# Altium PCB master.PcbDoc (part 1 of 10) (continued)
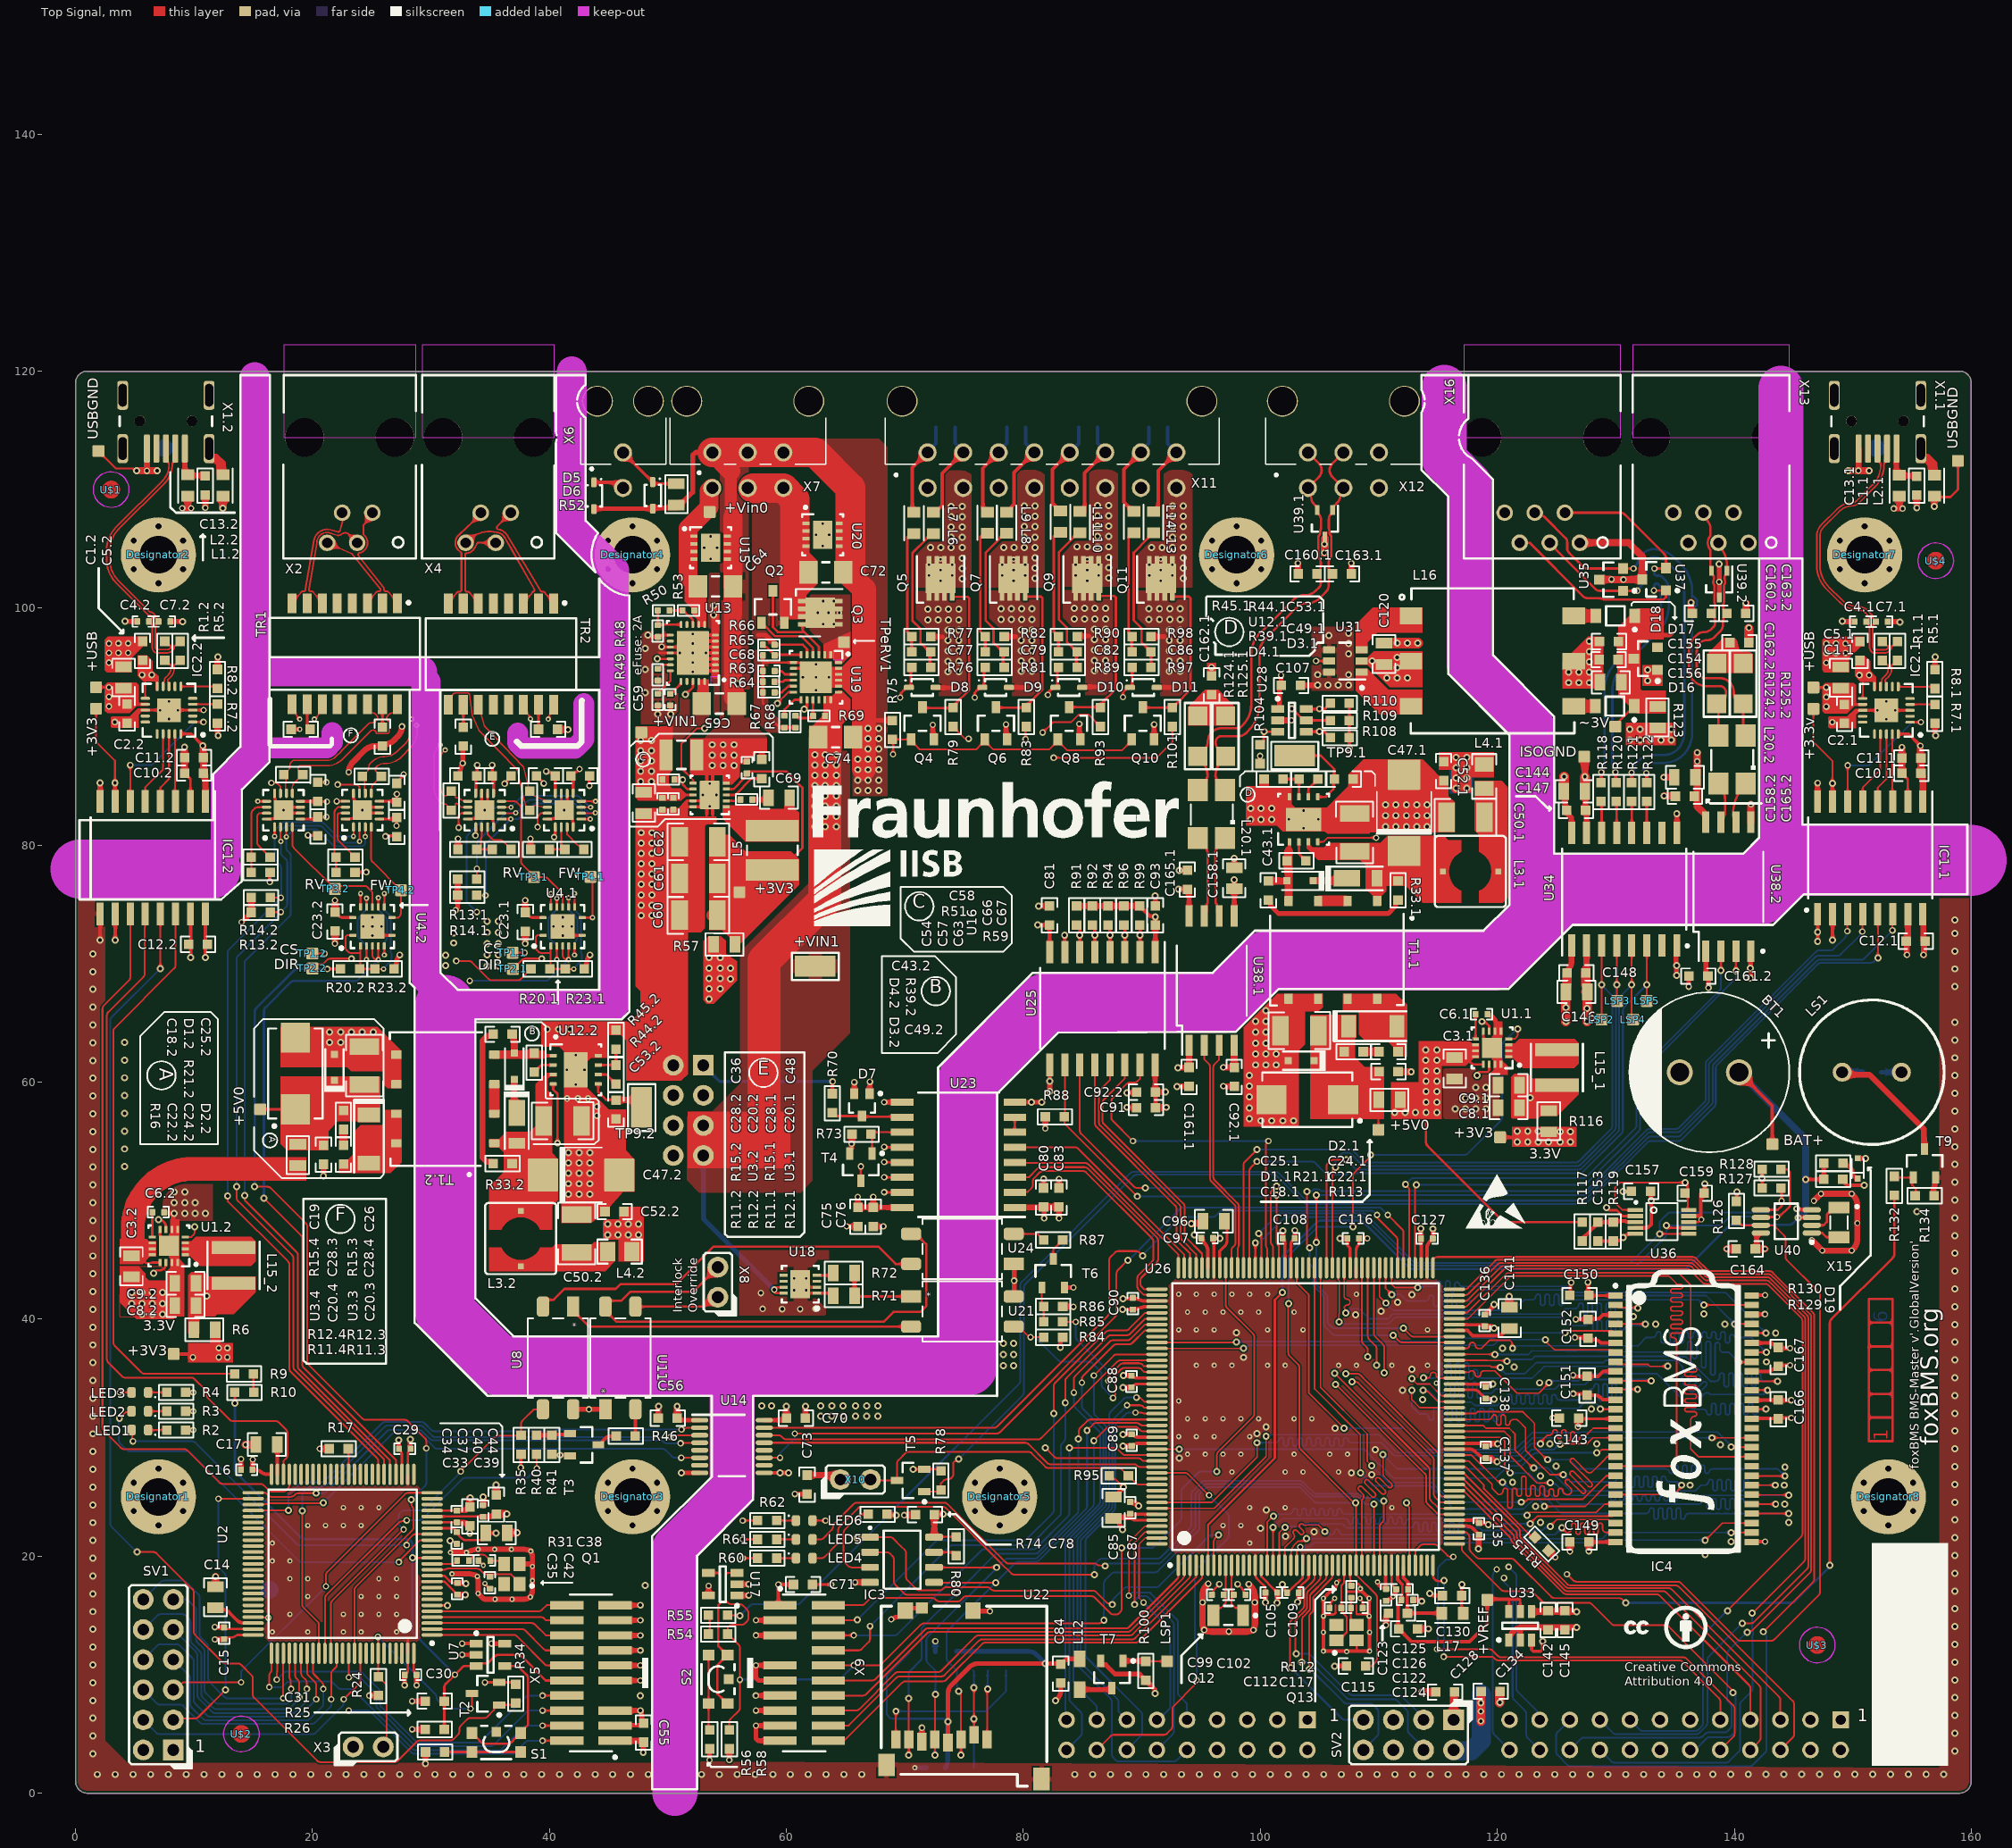
[diagram p0: Top Signal view]
## Design rules (kind name [scope] priority, off if disabled: settings) (continued)
RoomDefinition "Secondary LTC68202U_0301_LTC6820_forward3" [InComponentClass('Secondary LTC68202U_0301_LTC6820_forward3')] p11: confinementstyle=ConfineIn formatcopy=TRUE lockcomponents=FALSE outline 28.933,70.075 42.594,70.075 42.594,105.007 28.933,105.007
RoomDefinition "Secondary LTC68202U_0301_LTC6820_reverse4" [InComponentClass('Secondary LTC68202U_0301_LTC6820_reverse4')] p12: confinementstyle=ConfineIn formatcopy=TRUE lockcomponents=FALSE outline 28.499,71.45 41.588,71.45 41.588,103.861 28.499,103.861
RoomDefinition U_08_memorycard [InComponentClass('U_08_memorycard')] p13: confinementstyle=ConfineIn formatcopy=TRUE lockcomponents=FALSE outline 66.177,0.025 92.023,0.025 92.023,22.684 66.177,22.684
RoomDefinition U_07_isolated_rs485 [InComponentClass('U_07_isolated_rs485')] p14: confinementstyle=ConfineIn formatcopy=TRUE lockcomponents=FALSE outline 117.808,71.2 142.452,71.2 142.452,122.391 117.808,122.391
RoomDefinition "Secondary LTC6820" [InComponentClass('Secondary LTC6820')] p15: confinementstyle=ConfineIn formatcopy=TRUE lockcomponents=FALSE outline 45.187,169.723 104.191,169.723 104.191,188.773 45.187,188.773
RoomDefinition "Secondary Galvanic Isolation" [InComponentClass('Secondary Galvanic Isolation')] p16: confinementstyle=ConfineIn formatcopy=TRUE lockcomponents=FALSE outline 17.221,71.958 41.453,71.958 41.453,122.428 17.221,122.428
RoomDefinition "Primary LTC6820" [InComponentClass('Primary LTC6820')] p17: confinementstyle=ConfineIn formatcopy=TRUE lockcomponents=FALSE outline -0.711,130.531 41.072,130.531 41.072,154.762 -0.711,154.762
RoomDefinition USB1 [InComponentClass('USB1')] p18: confinementstyle=ConfineIn formatcopy=TRUE lockcomponents=FALSE outline 17.311,70.714 17.311,119.71 0.573,119.71 0.573,70.714
RoomDefinition USB0 [InComponentClass('USB0')] p19: confinementstyle=ConfineIn formatcopy=TRUE lockcomponents=FALSE outline 161.757,70.697 161.757,119.694 145.018,119.694 145.018,70.697
RoutingVias [All] p1: holewidth=0.3 width=0.45 viastyle="Through Hole" minholewidth=0.2 minwidth=0.45 maxholewidth=1 maxwidth=7
SMDEntry [All] p1: side=TRUE corner=TRUE anyangle=TRUE
SilkToSilkClearance [All] p1: silktosilkclearance=0
SilkToSolderMaskClearance [IsPad] p1: minsilkscreentomaskgap=0.075 clearancetoexposedcopper=TRUE
SolderMaskExpansion SolderMaskExpansion_VIAs [IsVia] p1: expansion=-10 istentingtop=FALSE // Cover all Vias
SolderMaskExpansion [All] p2: expansion=0.051 istentingtop=FALSE
SupplyNets Vext [InNet('+9-30V_IN_1') or InNet('SUPPLY_ext')] p1: voltage=12.00
SupplyNets V5.0 [InNet('+5.0V*')] p2: voltage=5.000
SupplyNets V3.3 [InNet('+3.3V*')] p3: voltage=3.300
UnRoutedNet [All] p1: checkbadconnections=TRUE
UnpouredPolygon UnpouredPolygon_1 [All] p1:
Width "SDRAM Impedance Control" [InNetClass('FMC.SDRAM')] p1: maxlimit=0.192 minlimit=0.098 preferedwidth=0.133 toplayer_minwidth=0.133 midlayer1_maxwidth=0.126 midlayer1_prefwidth=0.125 bottomlayer_minwidth=0.133 impedanceprofiledriven=TRUE impedanceprofileid={E2543C6F-5D54-4176-A402-867BFB875A03} impedanceprofilevalue=55.000000 minimp=50.000000 maximp=50.000000 favimp=50.000000
Width [All] p2: maxlimit=20 minlimit=0.1 preferedwidth=0.2 toplayer_prefwidth=0.15 bottomlayer_prefwidth=0.15 minimp=50.000000 maximp=50.000000 favimp=50.000000
15 further rules are at their usual default settings.

## Classes and differential pairs
net class ISO_BAT_DOWN: REV_0_EXT_N REV_0_EXT_P REV_1_EXT_N REV_1_EXT_P
component class MCU_1_ISO: C18.2 C22.2 C24.2 C25.2 C43.2 C47.2 C49.2 C50.2 C52.2 C53.2 D1.2 D2.2 D3.2 D4.2 L3.2 L4.2 R21.2 R33.2 R39.2 R44.2 R45.2 T1.2 TP9.2 U12.2
differential pair class CAN_DP: CAN_INT_1 CAN_INT_2
differential pair class RS485_ZY_DP: RS485_YZ ZY
differential pair class RS485_AB_DP: AB ABEXT
differential pair class ISO_INT_DP: OUT_1 OUT_2 OUT_3 OUT_4
differential pair class CAN_EX_DP: CAN_0 CAN_1 CAN_2 CAN_EXT_1
differential pair class ISO_EXT_DP: OUT_0_EXT OUT_1_EXT REV_0_EXT REV_1_EXT
net class ISO_BAT: OUT_0_EXT_N OUT_0_EXT_P OUT_1_EXT_N OUT_1_EXT_P REV_0_EXT_N REV_0_EXT_P REV_1_EXT_N REV_1_EXT_P
net class ISO_BAT_UP: OUT_0_EXT_N OUT_0_EXT_P OUT_1_EXT_N OUT_1_EXT_P
channel class IsoDcDc-BSR033A: MCU_0_ISO U_10_contactor_control
channel class dcdc_5v0_3v3: MCU_0_VCC MCU_1_VCC
channel class CAN_new: U_08_CAN0 U_08_CAN1
net class ISO_RS485: +3.3V_COM AB_N AB_P ABEXT_N ABEXT_P GND_COM RS485_YZ_N RS485_YZ_P ZY_N ZY_P
net class ISO_COM: +3-4.5v_out +3.3V_COM ABEXT_N ABEXT_P CAN_1_N CAN_1_P GND_COM NetD16_2 NetD17_2 NetL14_4 NetL14_5 NetL14_6 RS485_YZ_N RS485_YZ_P
net class HV_Nets: +9-30V_IN_1 NetC43.1_2 NetC43.2_2 NetC47.1_1 NetC47.2_1 NetC50.1_2 NetC50.2_2
component class U_03_supply1: +3V3 +5V0 C107 LED3 LED6 R4 R6 R16 R51 R57 R62 R104 R109 R110 R113 R116 R123 U28 ~3V
component class MCU_1_VCC: C3.2 C6.2 C8.2 C9.2 L15_2 U1.2
component class U_10_contactor_control: C73 C75 C76 C77 C79 C80 C81 C82 C83 C86 C91 C93 C177 C178 C179 C180 D7 D8 D9 D10 D11 D12 D13 D14 D15 L6 L7 L8 L9 L10 L11 L13 L14 Q4 Q5 Q6 Q7 Q8 Q9 Q10 Q11 R70 R73 R75 R76 R77 R79 R81 R82 R83 R88 R89 R90 R91 R92 R93 R94 R96 R97 R98 R99 R101 T4 U23 U25 X11
component class MCU_0_VCC: C3.1 C6.1 C8.1 C9.1 L15_1 U1.1
component class MCU_0_ISO: C18.1 C22.1 C24.1 C25.1 C43.1 C47.1 C49.1 C50.1 C52.1 C53.1 D1.1 D2.1 D3.1 D4.1 L3.1 L4.1 R21.1 R33.1 R39.1 R44.1 R45.1 T1.1 TP9.1 TP11 TP12 U12.1
component class EXT_SUPPLY_VCC: C54 C57 C58 C60 C61 C62 C63 C66 C67 C69 L5 R59 U16
component class COM_EXT_ISO: C120 C154 C155 C156 D16 D17 D18 ISOGND L16 R108 U31
channel class 0301_LTC6820_chip: "Primary LTC68201U_0301_LTC6820_forward1" "Primary LTC68201U_0301_LTC6820_reverse2" "Secondary LTC68202U_0301_LTC6820_forward3" "Secondary LTC68202U_0301_LTC6820_reverse4"
channel class 03_LTC6820: "Primary LTC6820" "Secondary LTC6820"
component class "Secondary LTC68202U_0301_LTC6820_reverse4": C20.4 C28.4 IC23 R11.4 R12.4 R15.4 U3.4
component class "Primary LTC68201U_0301_LTC6820_reverse2": C20.2 C28.2 R11.2 R12.2 R15.2 U3.2
component class "Secondary LTC68202U_0301_LTC6820_forward3": C20.3 C28.3 R11.3 R12.3 R15.3 U3.3
component class "Primary LTC68201U_0301_LTC6820_forward1": C20.1 C28.1 R11.1 R12.1 R15.1 U3.1
component class U_08_memorycard: C84 C181 L12 LSP1 LSP6 LSP7 LSP8 LSP9 R100 R138 R139 R140 R141 R142 R143 SLOT1 T7 U22
component class U_08_CAN1: C92.2 C158.2 C160.2 C161.2 C162.2 C163.2 C165.2 L20.2 R124.2 R125.2 U38.2 U39.2
component class U_07_isolated_rs485: C144 C146 C147 C148 IC22 LSP2 LSP3 LSP4 LSP5 R118 R120 R121 R122 U34 U35 U37
component class "Secondary LTC6820": C23.2 R13.2 R14.2 R20.2 R23.2 TP1.2 TP2.2 TP3.2 TP4.2 U4.2
component class "Secondary Galvanic Isolation": C19 C26 C36 C48 TR1 TR2 X2 X4
component class "Primary LTC6820": C23.1 R13.1 R14.1 R20.1 R23.1 TP1.1 TP2.1 TP3.1 TP4.1 U4.1
component class hierarchy: m X12 X13 X16
differential pair class USB_DP: D_1 D_2 U_1 U_2
channel class isolated_usb_single: USB0 USB1
component class USB1: +3V3 +USB C1.2 C2.2 C4.2 C5.2 C7.2 C10.2 C11.2 C12.2 C13.2 IC1.2 IC2.2 IC15 L1.2 L2.2 R1.2 R5.2 R7.2 R8.2 USBGND X1.2
component class USB0: +3.3v +USB C1.1 C2.1 C4.1 C5.1 C7.1 C10.1 C11.1 C12.1 C13.1 IC1.1 IC2.1 IC26 IC27 L1.1 L2.1 R1.1 R5.1 R7.1 R8.1 USBGND X1.1
net class FMC.UDQ: FMC_MCU_0_RAM_D0 FMC_MCU_0_RAM_D1 FMC_MCU_0_RAM_D2 FMC_MCU_0_RAM_D3 FMC_MCU_0_RAM_D4 FMC_MCU_0_RAM_D5 FMC_MCU_0_RAM_D6 FMC_MCU_0_RAM_D7 FMC_MCU_0_RAM_D8 FMC_MCU_0_RAM_D9 FMC_MCU_0_RAM_D10 FMC_MCU_0_RAM_D11 FMC_MCU_0_RAM_D12 FMC_MCU_0_RAM_D13 FMC_MCU_0_RAM_D14 FMC_MCU_0_RAM_D15
net class FMC.SDRAM: FMC_MCU_0_RAM_A0 FMC_MCU_0_RAM_A1 FMC_MCU_0_RAM_A2 FMC_MCU_0_RAM_A3 FMC_MCU_0_RAM_A4 FMC_MCU_0_RAM_A5 FMC_MCU_0_RAM_A6 FMC_MCU_0_RAM_A7 FMC_MCU_0_RAM_A8 FMC_MCU_0_RAM_A9 FMC_MCU_0_RAM_A10 FMC_MCU_0_RAM_A11 FMC_MCU_0_RAM_BA0 FMC_MCU_0_RAM_BA1 FMC_MCU_0_RAM_D0 FMC_MCU_0_RAM_D1 FMC_MCU_0_RAM_D2 FMC_MCU_0_RAM_D3 FMC_MCU_0_RAM_D4 FMC_MCU_0_RAM_D5 FMC_MCU_0_RAM_D6 FMC_MCU_0_RAM_D7 FMC_MCU_0_RAM_D8 FMC_MCU_0_RAM_D9 FMC_MCU_0_RAM_D10 FMC_MCU_0_RAM_D11 FMC_MCU_0_RAM_D12 FMC_MCU_0_RAM_D13 FMC_MCU_0_RAM_D14 FMC_MCU_0_RAM_D15 FMC_MCU_0_RAM_NBL0 FMC_MCU_0_RAM_NBL1 FMC_MCU_0_RAM_SDCKE1 FMC_MCU_0_RAM_SDCLK FMC_MCU_0_RAM_SDNCAS FMC_MCU_0_RAM_SDNE1 FMC_MCU_0_RAM_SDNRAS FMC_MCU_0_RAM_SDNWE
net class FMC.LDQ: FMC_MCU_0_RAM_D0 FMC_MCU_0_RAM_D1 FMC_MCU_0_RAM_D2 FMC_MCU_0_RAM_D3 FMC_MCU_0_RAM_D4 FMC_MCU_0_RAM_D5 FMC_MCU_0_RAM_D6 FMC_MCU_0_RAM_D7 FMC_MCU_0_RAM_D8 FMC_MCU_0_RAM_D9 FMC_MCU_0_RAM_D10 FMC_MCU_0_RAM_D11 FMC_MCU_0_RAM_D12 FMC_MCU_0_RAM_D13 FMC_MCU_0_RAM_D14 FMC_MCU_0_RAM_D15
net class FMC.DQM: FMC_MCU_0_RAM_D0 FMC_MCU_0_RAM_D1 FMC_MCU_0_RAM_D2 FMC_MCU_0_RAM_D3 FMC_MCU_0_RAM_D4 FMC_MCU_0_RAM_D5 FMC_MCU_0_RAM_D6 FMC_MCU_0_RAM_D7 FMC_MCU_0_RAM_D8 FMC_MCU_0_RAM_D9 FMC_MCU_0_RAM_D10 FMC_MCU_0_RAM_D11 FMC_MCU_0_RAM_D12 FMC_MCU_0_RAM_D13 FMC_MCU_0_RAM_D14 FMC_MCU_0_RAM_D15
net class FMC.CNTRL: FMC_MCU_0_RAM_NBL0 FMC_MCU_0_RAM_NBL1 FMC_MCU_0_RAM_SDCKE1 FMC_MCU_0_RAM_SDCLK FMC_MCU_0_RAM_SDNE1
net class FMC.CMD: FMC_MCU_0_RAM_SDNCAS FMC_MCU_0_RAM_SDNRAS FMC_MCU_0_RAM_SDNWE
net class FMC.ADR: FMC_MCU_0_RAM_A0 FMC_MCU_0_RAM_A1 FMC_MCU_0_RAM_A2 FMC_MCU_0_RAM_A3 FMC_MCU_0_RAM_A4 FMC_MCU_0_RAM_A5 FMC_MCU_0_RAM_A6 FMC_MCU_0_RAM_A7 FMC_MCU_0_RAM_A8 FMC_MCU_0_RAM_A9 FMC_MCU_0_RAM_A10 FMC_MCU_0_RAM_A11 FMC_MCU_0_RAM_BA0 FMC_MCU_0_RAM_BA1
net class ISO_MCU_USB: D_1_N D_1_P D_2_N D_2_P ISO_FTDI_DTR_1 ISO_FTDI_DTR_2 ISO_FTDI_RTS_1 ISO_FTDI_RTS_2 ISO_FTDI_RX_1 ISO_FTDI_RX_2 ISO_FTDI_TX_1 ISO_FTDI_TX_2 NetIC2.1_4 NetIC2.1_6 NetIC2.2_4 NetIC2.2_6 NetIC1401_1 NetIC1401_3 NetIC1402_5 NetIC1402_8 NetIC1402_10 NetIC1402_17 NetIC1402_18 NetIC1402_19 NetL2.1_2 NetL2.2_2 NetX1401_4 NetX1401_6 NetX1401_7 NetX1401_8 NetX1401_9 U_1_N U_1_P U_2_N U_2_P USB_+3.3V_1 USB_+3.3V_2 USB_+VBUS_1 USB_+VBUS_2 USB_GND_1 USB_GND_2 USB_VBUS_1 USB_VBUS_2
net class ISO_MCU: +3.3V_0 +3.3V_0+ +3.3V_0_IN +5.0V_0 +5.0V_0+ +Vbat_0 +Vdda_0 +Vref_0 ADC_MCU_0_CH_0 ADC_MCU_0_CH_1 ADC_MCU_0_CH_2 ADC_MCU_0_CH_3 ADC_MCU_0_CH_4 BMS-INTERFACE_0_GPIO_0 BMS-INTERFACE_0_GPIO_1 BMS-INTERFACE_0_GPIO_2 BMS-INTERFACE_0_GPIO_3 BMS-INTERFACE_0_SPI_CS BMS-INTERFACE_0_SPI_MISO BMS-INTERFACE_0_SPI_MOSI BMS-INTERFACE_0_SPI_SCK BOOT_0_MCU_0 C\S\_\F\W\_1 C\S\_\R\V\_1 CAN_0_RX CAN_0_TRANS_STANDBY_CONTROL CAN_0_TX CAN_1_RX CAN_1_TRANS_STANDBY_CONTROL CAN_1_TX CONTACTOR_0_CONTROL CONTACTOR_0_FEEDBACK CONTACTOR_1_CONTROL CONTACTOR_1_FEEDBACK CONTACTOR_2_CONTROL CONTACTOR_2_FEEDBACK CONTACTOR_3_CONTROL CONTACTOR_3_FEEDBACK CONTACTOR_5_CONTROL CONTACTOR_5_FEEDBACK CONTACTOR_6_CONTROL CONTACTOR_6_FEEDBACK CONTACTOR_7_CONTROL CONTACTOR_7_FEEDBACK CONTACTOR_8_CONTROL CONTACTOR_8_FEEDBACK CONTACTOR_INTERLOCK_ISO_IO CONTACTOR_SUPPLY_FAULT CONTACTOR_SUPPLY_SHDN CS_1 D\I\R\_1 DATA_STORAGE_SPI_EEPROM_CS DATA_STORAGE_SPI_Memory_NSS DATA_STORAGE_SPI_Memorycard_NSS DATA_STORAGE_SPI_MISO DATA_STORAGE_SPI_MOSI DATA_STORAGE_SPI_SCK DEBUG_LED_0_MCU_0 DEBUG_LED_1_MCU_0 DIR_1 FMC_MCU_0_RAM_A0 FMC_MCU_0_RAM_A1 FMC_MCU_0_RAM_A2 FMC_MCU_0_RAM_A3 FMC_MCU_0_RAM_A4 FMC_MCU_0_RAM_A5 FMC_MCU_0_RAM_A6 FMC_MCU_0_RAM_A7 FMC_MCU_0_RAM_A8 FMC_MCU_0_RAM_A9 FMC_MCU_0_RAM_A10 FMC_MCU_0_RAM_A11 FMC_MCU_0_RAM_BA0 FMC_MCU_0_RAM_BA1 FMC_MCU_0_RAM_D0 FMC_MCU_0_RAM_D1 FMC_MCU_0_RAM_D2 FMC_MCU_0_RAM_D3 FMC_MCU_0_RAM_D4 FMC_MCU_0_RAM_D5 FMC_MCU_0_RAM_D6 FMC_MCU_0_RAM_D7 FMC_MCU_0_RAM_D8 FMC_MCU_0_RAM_D9 FMC_MCU_0_RAM_D10 FMC_MCU_0_RAM_D11 FMC_MCU_0_RAM_D12 FMC_MCU_0_RAM_D13 FMC_MCU_0_RAM_D14 FMC_MCU_0_RAM_D15 FMC_MCU_0_RAM_NBL0 FMC_MCU_0_RAM_NBL1 FMC_MCU_0_RAM_SDCKE1 FMC_MCU_0_RAM_SDCLK FMC_MCU_0_RAM_SDNCAS FMC_MCU_0_RAM_SDNE1 FMC_MCU_0_RAM_SDNRAS FMC_MCU_0_RAM_SDNWE FTDI_MCU_0_DTR FTDI_MCU_0_RTS FTDI_MCU_0_RX FTDI_MCU_0_TX GND_1 GPIO.RTC_INT# HSE_1_MCU_0 HSE_2_MCU_0 I2C3.SCL I2C3.SDA INTERLOCK_CONTROL_MCU_0 INTERLOCK_FEEDBACK_MCU_0 ISO_GPIO_MCU_0_IN_0 ISO_GPIO_MCU_0_IN_1 ISO_GPIO_MCU_0_IN_2 ISO_GPIO_MCU_0_IN_3 ISO_GPIO_MCU_0_OUT_0 ISO_GPIO_MCU_0_OUT_1 ISO_GPIO_MCU_0_OUT_2 ISO_GPIO_MCU_0_OUT_3 ISONOC_0_CONTROL ISONOC_1_CONTROL ISONOC_2_CONTROL ISONOC_3_CONTROL ISONOC_4_CONTROL ISONOC_5_CONTROL LSE_1_MCU_0 LSE_2_MCU_0 MCU_0_NRESET MCU_0_RTC_ALARM_OUT MCU_0_SWCLK MCU_0_SWDIO MCU_0_SWO MCU_0_TDI MCU_TO_FPGA_INTERFACE_MCU_0_CS MCU_TO_FPGA_INTERFACE_MCU_0_MISO MCU_TO_FPGA_INTERFACE_MCU_0_MOSI MCU_TO_FPGA_INTERFACE_MCU_0_SCK MCU_TO_MCU_INTERFACE_MCU_0_CS MCU_TO_MCU_INTERFACE_MCU_0_MISO MCU_TO_MCU_INTERFACE_MCU_0_MOSI MCU_TO_MCU_INTERFACE_MCU_0_SCK Memory_SUPPLY_CONTROL Memorycard_SUPPLY Memorycard_SUPPLY_CONTROL NetC6.1_2 NetC96_1 NetC117_1 NetC141_1 NetD19_2 NetIC3_3 NetIC3_7 NetIC802_4 NetIC802_6 NetL12_2 NetL15_1_1 NetLED4_1 NetLED5_1 NetLED6_1 NetLS1_2 NetR11.1_2 NetR11.2_2 NetR12.1_2 NetR12.2_2 NetR54_2 NetR56_2 NetR85_1 NetR87_1 NetR87_2 NetR115_2 NetR132_1 NetR138_1 NetR139_1 NetS2_3 NetU40_1 NetU40_2 OUT_1_N OUT_1_P OUT_2_N OUT_2_P PIEZO_MCU_0_PWM RS485_DE RS485_MCU_0_NRE RS485_MCU_0_RX RS485_MCU_0_TX TRACECLK_MCU_0 TRACED0_MCU_0 TRACED1_MCU_0 TRACED2_MCU_0 TRACED3_MCU_0 VBU_MON VIN_MON
net class ISO_MCU_SEC: +3.3V_1 +3.3V_1+ +5.0V_1 +5.0V_1+ BMS-INTERFACE_1_GPIO_0 BMS-INTERFACE_1_GPIO_1 BMS-INTERFACE_1_GPIO_2 BMS-INTERFACE_1_GPIO_3 BMS-INTERFACE_1_SPI_CS BMS-INTERFACE_1_SPI_MISO BMS-INTERFACE_1_SPI_MOSI BMS-INTERFACE_1_SPI_SCK BOOT_0_MCU_1 C\S\_\F\W\_2 C\S\_\R\V\_2 CAN_0_MCU_1_RX CAN_0_MCU_1_TX CS_2 D\I\R\_2 DEBUG_LED_0_MCU_1 DEBUG_LED_1_MCU_1 DIR_2 FTDI_MCU_1_DTR FTDI_MCU_1_RTS FTDI_MCU_1_RX FTDI_MCU_1_TX GND_2 GPIO_MCU_1_0 GPIO_MCU_1_1 GPIO_MCU_1_2 GPIO_MCU_1_3 GPIO_MCU_1_4 GPIO_MCU_1_5 HSE_1_MCU_1 HSE_2_MCU_1 INTERLOCK_CONTROL_MCU_1 INTERLOCK_FEEDBACK_MCU_1 MCU_1_NRESET MCU_1_SWCLK MCU_1_SWDIO MCU_1_SWO MCU_1_TDI MCU_TO_MCU_INTERFACE_MCU_1_CS MCU_TO_MCU_INTERFACE_MCU_1_MISO MCU_TO_MCU_INTERFACE_MCU_1_MOSI MCU_TO_MCU_INTERFACE_MCU_1_SCK NetC6.2_2 NetC14_1 NetC17_1 NetC38_1 NetL15_2_1 NetLED1_1 NetLED2_1 NetLED3_1 NetR9_1 NetR11.3_2 NetR11.4_2 NetR12.3_2 NetR12.4_2 NetR17_2 NetR26_2 NetR40_1 NetR46_1 NetR46_2 NetS1_3 OUT_3_N OUT_3_P OUT_4_N OUT_4_P TRACECLK_MCU_1 TRACED0_MCU_1 TRACED1_MCU_1 TRACED2_MCU_1 TRACED3_MCU_1 USART_MCU_1_RX USART_MCU_1_TX
net class ISO_EXT: +3.3v_in +9-30V_IN_1 CAN_0_N CAN_0_P COM_EXT_ISO_EN CONTACTOR_0_FEEDBACK_EXT CONTACTOR_1_FEEDBACK_EXT CONTACTOR_2_FEEDBACK_EXT CONTACTOR_3_FEEDBACK_EXT CONTACTOR_INTERLOCK_EXT_IO CONTACTOR_IO_EXT_0 CONTACTOR_IO_EXT_1 CONTACTOR_IO_EXT_2 CONTACTOR_IO_EXT_3 CONTACTOR_NEG_0 CONTACTOR_NEG_1 CONTACTOR_NEG_2 CONTACTOR_NEG_3 CONTACTOR_NEG_LOCKOUT CONTACTOR_SUPPLY_FAULT_EXT CONTACTOR_SUPPLY_SHDN_EXT EXT_0.FAULT EXT_0.SHDN EXT_0_SUPPLY EXT_2.PGOOD EXT_2_SUPPLY EXT_+3.3V_0+ EXT_+3.3V_0_PG FB_EXT_0 FB_EXT_1 FB_EXT_2 FB_EXT_3 GND INTERLOCK_STATUS MCU_0_ISO_EN MCU_1_ISO_EN NetC59_1 NetC67_2 NetC68_1 NetC69_1 NetC69_2 NetC77_1 NetC79_1 NetC82_1 NetC86_1 NetC177_1 NetC177_2 NetC178_1 NetC178_2 NetC179_1 NetC179_2 NetC180_1 NetC180_2 NetD5_1 NetD7_3 NetIC702_6 NetL16_1 NetL16_3 NetQ2_1 NetQ2_3 NetQ3_5 NetQ4_3 NetQ6_3 NetQ8_3 NetQ10_3 NetR47_2 NetR48_2 NetR49_2 NetR50_2 NetR59_1 NetR63_2 NetR64_2 NetR65_2 NetR67_2 NetR68_2 NetR71_1 NetR71_2 NetR72_2 NetU8_2 NetU11_4 NetX801_2 RTN_EXT_0 SUPPLY_ext ZHS_0 ZHS_2
net class CAN_ISO: +3.3V_COM +3.3v_in CAN_0_N CAN_0_P CAN_1_N CAN_1_P CAN_INT_1_N CAN_INT_1_P CAN_INT_2_N CAN_INT_2_P GND GND_COM NetC162.1_1 NetC162.2_1 NetX801_2
component class U_0405_ext_bootload_activation: R78 R95 T5 X10
component class U_0404_debug_LED: LED4 LED5 R60 R61
component class U_0403_crystals: C99 C102 C112 C117 Q12 Q13 R112
component class U_18_connector_to_BMS_extension: JP1 JP2
component class U_17_FPGA_SPI_interface: C128 C134 SV2
component class U_16_8MB_SDRAM: C143 C149 C150 C151 C152 C166 C167 IC4 IC23
component class U_14_EEPROM: C78 IC3 IC15 R74 R80
component class EXT_SUPPLY: +Vin0 +VIN1 C59 C64 C65 C68 C72 C74 IC17 Q2 Q3 R47 R48 R49 R50 R53 R63 R64 R65 R66 R67 R68 R69 TPeRV1 U13 U15 U19 U20 X7
component class U_09_interlock_circuit: D5 D6 IC25 R35 R40 R41 R46 R52 R71 R72 R84 R85 R86 R87 SV3 T3 T6 U8 U11 U18 U21 U24 X6 X8
component class U_08_CAN0: C92.1 C158.1 C160.1 C161.1 C162.1 C163.1 C165.1 L20.1 R124.1 R125.1 U38.1 U39.1
component class U_06_mcu0_to_mcu1_isolated_SPI: C56 C70 U14
component class U_05_mcu1_secondary: C14 C15 C16 C17 C29 C30 C31 C33 C34 C35 C37 C38 C39 C40 C42 C44 C55 LED1 LED2 Q1 R2 R3 R9 R10 R17 R24 R25 R26 R31 R34 S1 SV1 T2 U2 U7 X3 X5
component class U_04_mcu0_primary: C71 C96 C115 C141 LS1 R54 R55 R56 R58 R115 R127 R128 R132 R134 R137 S2 T9 U17 U26 X9
component class U_0400_power: +VREF BAT+ BT1 C85 C87 C88 C89 C90 C97 C105 C108 C109 C116 C122 C123 C124 C125 C126 C127 C130 C135 C136 C137 C138 C142 C145 C153 C157 C159 C164 D19 IC14 IC17 L17 R117 R119 R126 R129 R130 U33 U36 U40 X15
net class BMS-INTERFACE_1_GPIO_[0..3]: BMS-INTERFACE_1_GPIO_0 BMS-INTERFACE_1_GPIO_1 BMS-INTERFACE_1_GPIO_2 BMS-INTERFACE_1_GPIO_3
net class BMS-INTERFACE_0_GPIO_[0..3]: BMS-INTERFACE_0_GPIO_0 BMS-INTERFACE_0_GPIO_1 BMS-INTERFACE_0_GPIO_2 BMS-INTERFACE_0_GPIO_3
net class ADC_MCU_0_CH_[0..4]: ADC_MCU_0_CH_0 ADC_MCU_0_CH_1 ADC_MCU_0_CH_2 ADC_MCU_0_CH_3 ADC_MCU_0_CH_4
net class FMC_MCU_0_RAM_NBL[0..1]: FMC_MCU_0_RAM_NBL0 FMC_MCU_0_RAM_NBL1
net class FMC_MCU_0_RAM_D[0..15]: FMC_MCU_0_RAM_D0 FMC_MCU_0_RAM_D1 FMC_MCU_0_RAM_D2 FMC_MCU_0_RAM_D3 FMC_MCU_0_RAM_D4 FMC_MCU_0_RAM_D5 FMC_MCU_0_RAM_D6 FMC_MCU_0_RAM_D7 FMC_MCU_0_RAM_D8 FMC_MCU_0_RAM_D9 FMC_MCU_0_RAM_D10 FMC_MCU_0_RAM_D11 FMC_MCU_0_RAM_D12 FMC_MCU_0_RAM_D13 FMC_MCU_0_RAM_D14 FMC_MCU_0_RAM_D15
net class FMC_MCU_0_RAM_BA[0..1]: FMC_MCU_0_RAM_BA0 FMC_MCU_0_RAM_BA1
net class FMC_MCU_0_RAM_A[0..11]: FMC_MCU_0_RAM_A0 FMC_MCU_0_RAM_A1 FMC_MCU_0_RAM_A2 FMC_MCU_0_RAM_A3 FMC_MCU_0_RAM_A4 FMC_MCU_0_RAM_A5 FMC_MCU_0_RAM_A6 FMC_MCU_0_RAM_A7 FMC_MCU_0_RAM_A8 FMC_MCU_0_RAM_A9 FMC_MCU_0_RAM_A10 FMC_MCU_0_RAM_A11
polygon class PolygonThermal_OFF: GND_EXT_0_L02_P055 Polygon_1_Net_+3.3V_0 Polygon_1_Net_+3.3V_1 Polygon_1_Net_GND_0 Polygon_1_Net_GND_1 Polygon_1_Net_SUPPLY_EXT_0 Polygon_1_Net_SUPPLY_EXT_2 Polygon_2_Net_SUPPLY_EXT_2
pad class SMDSolder_OFF: IC1101-2 T901-2 T901-4 T901-S
pad class SMDPaste_OFF: IC1101-2 T901-1 T901-2 T901-3 T901-4 T901-D T901-G T901-S
differential pair CAN_1: +CAN_1_P -CAN_1_N
differential pair CAN_INT_2: +CAN_INT_2_P -CAN_INT_2_N
differential pair CAN_INT_1: +CAN_INT_1_P -CAN_INT_1_N
differential pair CAN_0: +CAN_0_P -CAN_0_N
differential pair ZY: +ZY_P -ZY_N
differential pair RS485_YZ: +RS485_YZ_P -RS485_YZ_N
differential pair AB: +AB_P -AB_N
differential pair ABEXT: +ABEXT_P -ABEXT_N
differential pair REV_1_EXT: +REV_1_EXT_P -REV_1_EXT_N
differential pair REV_0_EXT: +REV_0_EXT_P -REV_0_EXT_N
differential pair OUT_1_EXT: +OUT_1_EXT_P -OUT_1_EXT_N
differential pair OUT_0_EXT: +OUT_0_EXT_P -OUT_0_EXT_N
differential pair OUT_4: +OUT_4_P -OUT_4_N
differential pair OUT_3: +OUT_3_P -OUT_3_N
differential pair OUT_2: +OUT_2_P -OUT_2_N
differential pair OUT_1: +OUT_1_P -OUT_1_N
differential pair U_2: +U_2_P -U_2_N
differential pair U_1: +U_1_P -U_1_N
differential pair D_2: +D_2_P -D_2_N
differential pair D_1: +D_1_P -D_1_N

## Components (designator, comment, footprint, x,y, rotation, side; value= is the part's Value field where it differs from the comment)
+3.3v "Testpoint_Square" Testpoint_S1 146.681,91.5 r270 top (schematic designator TPu1)
+3V3 "Testpoint_Square" Testpoint_S1 56.037,76.029 r90 top (schematic designator TPe1)
+3V3 "Testpoint_Square" Testpoint_S1 8.286,37.064 r90 top (schematic designator TPi1)
+3V3 "Testpoint_Square" Testpoint_S1 120.231,55.347 r90 top (schematic designator TPi4)
+3V3 "Testpoint_Square" Testpoint_S1 1.735,91.516 r270 top (schematic designator TPu1)
+5V0 "Testpoint_Square" Testpoint_S1 15.585,57.706 r90 top (schematic designator TPi2)
+5V0 "Testpoint_Square" Testpoint_S1 109.966,55.975 r90 top (schematic designator TPi3)
+USB "Testpoint_Square" Testpoint_S1 1.735,93.325 r180 top (schematic designator TPuVb1)
+USB "Testpoint_Square" Testpoint_S1 146.681,93.309 r180 top (schematic designator TPuVb1)
+Vin0 "Testpoint_Square" Testpoint_S1 53.521,108.113 r90 top (schematic designator TPeSUPi1)
+VIN1 "Testpoint_Square" Testpoint_Keystone_Miniature#1 62.438,69.775 r0 top (schematic designator TPeSUP2)
+VIN1 "Testpoint_Square" Testpoint_S1 47.752,89.514 r90 top (schematic designator TPeSUP1)
+VREF "Testpoint_Square" Testpoint_S1 119.156,16.317 r90 top (schematic designator TPvRef1)
BAT+ "Testpoint_Square" Testpoint_S1 143.213,54.758 r180 top (schematic designator TPvBat1)
BT1 "330m" KW-5R5C 137.897,60.837 r180 top
C1.1 "4.7µF 16V" 0805C 148.998,94.132 r90 top (schematic designator C1)
C1.2 "4.7µF 16V" 0805C 4.053,94.148 r90 top (schematic designator C1)
C2.1 "100nF 50V" 0603C 149.298,91.082 r270 top (schematic designator C2)
C2.2 "100nF 50V" 0603C 4.353,91.098 r270 top (schematic designator C2)
C3.1 "10µF 10V" 0805C 116.395,61.17 r270 top (schematic designator C3)
C3.2 "10µF 10V" 0805C 4.716,44.46 r270 top (schematic designator C3)
C4.1 "47pF 50V" 0402C 150.646,98.859 r0 top (schematic designator C4)
C4.2 "47pF 50V" 0402C 5.7,98.875 r0 top (schematic designator C4)
C5.1 "100nF 50V" 0603C 150.598,96.382 r90 top (schematic designator C5)
C5.2 "100nF 50V" 0603C 5.653,96.398 r90 top (schematic designator C5)
C6.1 "390pF 25V" 0402C 118.663,65.733 r180 top (schematic designator C6)
C6.2 "390pF 25V" 0402C 6.984,49.022 r180 top (schematic designator C6)
C7.1 "47pF 50V" 0402C 152.446,98.859 r180 top (schematic designator C7)
C7.2 "47pF 50V" 0402C 7.5,98.875 r180 top (schematic designator C7)
C8.1 "10µF 10V" 0805C 120.957,57.84 r180 top (schematic designator C8)
C8.2 "10µF 10V" 0805C 9.278,41.13 r180 top (schematic designator C8)
C9.1 "10µF 10V" 0805C 120.957,59.739 r180 top (schematic designator C9)
C9.2 "10µF 10V" 0805C 9.278,43.028 r180 top (schematic designator C9)
C10.1 "100nF 50V" 0603C 154.946,86.059 r180 top (schematic designator C10)
C10.2 "100nF 50V" 0603C 10,86.075 r180 top (schematic designator C10)
C11.1 "1.0µF 25V" 0603C 154.946,87.359 r0 top (schematic designator C11)
C11.2 "1.0µF 25V" 0603C 10,87.375 r0 top (schematic designator C11)
C12.1 "100nF 50V" 0603C 155.305,71.9 r180 top (schematic designator C12)
C12.2 "100nF 50V" 0603C 10.334,71.628 r180 top (schematic designator C12)
C13.1 "10nF 50V" 0603C 155.396,110.334 r270 top (schematic designator C13)
C13.2 "10nF 50V" 0603C 10.95,110.35 r270 top (schematic designator C13)
C14 "2.2µF 25V" 0805C 11.811,16.533 r90 top
C15 "100nF 50V" 0402C 12.541,13.495 r90 top
C16 "100nF 50V" 0402C 14.446,27.291 r180 top
C17 "2.2µF 25V" 0805C 16.134,29.428 r180 top
C18.1 "T598D107M010ATE025" 7343-31 103.963,58.508 r180 top value=220uF (schematic designator C18)
C18.2 "T598D107M010ATE025" 7343-31 18.55,60.731 r90 top value=220uF (schematic designator C18)
C19 "27p/50V" 0603C 19,89.775 r180 top
C20.1 "100n/50V" 0603C 42.6,85.85 r180 top (schematic designator C20)
C20.2 "100n/50V" 0603C 35.963,85.85 r180 top (schematic designator C20)
C20.3 "100n/50V" 0603C 27.11,81.525 r90 top (schematic designator C20)
C20.4 "100n/50V" 0603C 20.45,81.591 r90 top (schematic designator C20)
C22.1 "GRM188R72A104KA35J" 0603C 110.821,60.883 r0 top value=0.1uF (schematic designator C22)
C22.2 "GRM188R72A104KA35J" 0603C 20.925,53.873 r270 top value=0.1uF (schematic designator C22)
C23.1 "100n/50V" 0603C 37.955,73.525 r90 top (schematic designator C23)
C23.2 "100n/50V" 0603C 21.896,73.55 r90 top (schematic designator C23)
C24.1 "GRM1885C2A220JA01D" 0603C 110.815,62.57 r0 top value=22pF (schematic designator C24)
C24.2 "GRM1885C2A220JA01D" 0603C 22.612,53.878 r270 top value=22pF (schematic designator C24)
C25.1 "GRM32EC80J107ME20L" 1210C 103.301,64.346 r180 top value=100uF (schematic designator C25)
C25.2 "GRM32EC80J107ME20L" 1210C 24.389,61.393 r90 top value=100uF (schematic designator C25)
C26 "27p/50V" 0603C 25.903,89.157 r90 top
C28.1 "100nF 50V" 0603C 39.7,85.85 r0 top (schematic designator C28)
C28.2 "100nF 50V" 0603C 33.075,85.85 r0 top (schematic designator C28)
C28.3 "100nF 50V" 0603C 20.45,84.497 r270 top (schematic designator C28)
C28.4 "100nF 50V" 0603C 27.11,84.414 r270 top (schematic designator C28)
C29 "100nF 50V" 0402C 27.787,29.063 r0 top
C30 "100nF 50V" 0402C 28.281,9.988 r180 top
C31 "100nF 50V" 0603C 30.321,7.765 r180 top
C33 "100nF 50V" 0402C 32.18,21.54 r270 top
C34 "100nF 50V" 0402C 32.18,23.345 r270 top
C35 "100nF 50V" 0402C 32.225,17.25 r270 top
C36 "27p/50V" 0603C 32.725,89.157 r270 top
C37 "1.0µF 25V" 0603C 33.284,23.352 r270 top
C38 "18pF 50V" 0402C 34.515,19.628 r180 top
C39 "4.7µF 16V" 0805C 35.54,21.953 r0 top
C40 "100nF 50V" 0402C 34.392,23.805 r90 top
C42 "18pF 50V" 0402C 34.976,17.762 r90 top
C43.1 "GRM1885C2A220JA01D" 0603C 100.665,76.175 r90 top value=22pF (schematic designator C43)
C43.2 "GRM1885C2A220JA01D" 0603C 36.05,64.046 r0 top value=22pF (schematic designator C43)
C44 "1.0µF 25V" 0603C 35.52,24.353 r90 top
C47.1 "CAP TANTALUM 33UF 50V 2917" CAPC7343X430M 112.119,82.725 r90 top value=33uF (schematic designator C47)
C47.2 "CAP TANTALUM 33UF 50V 2917" CAPC7343X430M 42.672,52.172 r0 top value=33uF (schematic designator C47)
C48 "27p/50V" 0603C 39.875,89.775 r180 top
C49.1 "GRM32DC72A475KE01L" 1210C 107.959,81.072 r270 top value=4.7uF (schematic designator C49)
C49.2 "GRM32DC72A475KE01L" 1210C 41.114,56.735 r180 top value=4.7uF (schematic designator C49)
C50.1 "GRM32DC72A475KE01L" 1210C 117.319,82.35 r0 top value=4.7uF (schematic designator C50)
C50.2 "GRM32DC72A475KE01L" 1210C 42.3,47.225 r270 top value=4.7uF (schematic designator C50)
C52.1 "GRM188R72A104KA35J" 0603C 115.469,86.244 r270 top value=0.1uF (schematic designator C52)
C52.2 "GRM188R72A104KA35J" 0603C 45.486,49.075 r180 top value=0.1uF (schematic designator C52)
C53.1 "GCM188R71E473KA37D" 0603C 107.034,85.569 r0 top value=0.047uF (schematic designator C53)
C53.2 "GCM188R71E473KA37D" 0603C 45.612,57.687 r270 top value=0.047uF (schematic designator C53)
C54 "100nF 50V" 0805C 47.964,83.557 r90 top
C55 "100nF 50V" 0603C 47.954,5.105 r90 top
C56 "100nF 50V" 0603C 49.975,31.646 r180 top
C57 "1500pF 50V" 0402C 49.537,83.49 r90 top
C58 "10uF 50V" CAPC3225X279X50LL20T25 51.132,87.62 r180 top
C59 "10nF 50V" 0402C 50.192,92.281 r270 top
C60 "22uF 16V" 1210C 52.582,74.094 r0 top
C61 "22uF 16V" 1210C 52.582,77.192 r0 top
C62 "22uF 16V" 1210C 52.582,80.291 r0 top
C63 "1200pF 50V" 0402C 50.447,83.49 r90 top
C64 "GRM31CR72A105KA01L" CAPC3216X180X55ML20T25 54.002,101.833 r180 top
C65 "GRM31CR72A105KA01L" CAPC3216X180X55ML20T25 54.332,91.951 r180 top
C66 "10nF 50V" 0402C 56.657,86.547 r270 top
C67 "1.0µF 25V" 0603C 57.915,86.42 r270 top
C68 "10nF 50V" 0402C 58.507,94.7 r180 top
C69 "100nF 50V" 0805C 59.372,84.007 r180 top
C70 "100nF 50V" 0603C 60.8,31.646 r180 top
C71 "100nF 50V" 0603C 61.389,17.607 r0 top
C72 "GRM31CR72A105KA01L" CAPC3216X180X55ML20T25 63.333,103.019 r180 top
C73 "100nF 50V" 0603C 61.747,26.04 r270 top
C74 "GRM31CR72A105KA01L" CAPC3216X180X55ML20T25 64.154,89.112 r180 top
C75 "1.0µF 25V" 0603C 66.025,48.628 r270 top
C76 "100nF 50V" 0603C 67.325,48.628 r270 top
C77 "100nF 50V" 0603C 71.383,96.3 r0 top
C78 "100nF 50V" 0603C 71.685,23.515 r0 top
C79 "100nF 50V" 0603C 77.58,96.3 r0 top
C80 "100nF 50V" 0603C 81.7,50.275 r90 top
C81 "100nF 50V" 0603C 82.204,74.064 r270 top
C82 "100nF 50V" 0603C 83.752,96.3 r0 top
C83 "1.0µF 25V" 0603C 83,50.275 r90 top
C84 "100n/50V" 0603C 83.155,10.086 r90 top
C85 "4.7µF 16V" 0805C 87.605,24.079 r90 top
C86 "100nF 50V" 0603C 89.971,96.3 r0 top
C87 "100nF 50V" 0402C 89.002,24.079 r90 top
C88 "100nF 50V" 0402C 89.125,34.739 r90 top
C89 "100nF 50V" 0402C 89.138,29.791 r90 top
C90 "100nF 50V" 0402C 89.238,41.3 r90 top
C91 "1.0µF 25V" 0603C 90.35,57.85 r180 top
C92.1 "1.0µF 25V" 0603C 97.794,60.433 r270 top (schematic designator C92)
C92.2 "1.0µF 25V" 0603C 90.35,59.15 r0 top (schematic designator C92)
C93 "1.0µF 25V" 0603C 91.136,74.064 r90 top
C96 "2.2µF 25V" 0805C 96.063,48.26 r180 top
C97 "100nF 50V" 0402C 95.512,46.84 r0 top
C99 "18pF 50V" 0402C 96.399,16.736 r0 top
C102 "18pF 50V" 0402C 98.247,16.739 r0 top
C105 "100nF 50V" 0402C 100.925,16.924 r180 top
C107 "100nF 50V" 0603C 102.575,93.475 r180 top
C108 "100nF 50V" 0402C 102.387,46.817 r0 top
C109 "100nF 50V" 0402C 102.743,16.916 r180 top
C112 "18pF 50V" 0402C 106.33,15.634 r0 top
C115 "100nF 50V" 0603C 108.072,10.728 r180 top
C116 "100nF 50V" 0402C 107.829,46.817 r0 top
C117 "18pF 50V" 0402C 108.138,15.634 r0 top
C120 "10µF 10V" 0805C 110.438,96.135 r270 top
C122 "1.0µF 25V" 0603C 111.608,15.189 r180 top
C123 "100nF 50V" 0402C 110.612,16.736 r270 top
C124 "1.0µF 25V" 0603C 112.471,13.868 r0 top
C125 "100nF 50V" 0402C 111.963,17.196 r180 top
C126 "100nF 50V" 0402C 112.395,16.307 r0 top
C127 "100nF 50V" 0402C 114.054,46.796 r0 top
C128 "100nF 50V" 0603C 115.595,8.534 r180 top
C130 "1.0µF 25V" 0603C 116.18,16.662 r180 top
C134 "100nF 50V" 0603C 119.429,8.597 r180 top
C135 "100nF 50V" 0402C 118.452,22.307 r270 top
C136 "100nF 50V" 0402C 118.941,39.893 r90 top
C137 "100nF 50V" 0402C 119.024,28.77 r270 top
C138 "100nF 50V" 0402C 119.024,33.796 r270 top
C141 "2.2µF 25V" 0805C 121.032,40.098 r90 top
C142 "100nF 50V" 0603C 124.278,14.595 r270 top
C143 "100nF 50V" 0603C 126.055,31.644 r180 top
C144 "10µF 10V" 0805C 126.49,84.538 r0 top
C145 "1.0µF 25V" 0603C 125.707,14.595 r270 top
C146 "10µF 10V" 0805C 126.682,67.618 r0 top
C147 "100n/50V" 0603C 126.642,82.938 r0 top
C148 "100n/50V" 0603C 126.672,69.228 r0 top
C149 "100nF 50V" 0603C 126.92,21.196 r180 top
C150 "100nF 50V" 0603C 126.92,41.996 r180 top
C151 "100nF 50V" 0603C 127.575,34.383 r270 top
C152 "100nF 50V" 0603C 127.66,39.184 r270 top
C153 "10nF 50V" 0603C 128.486,47.39 r90 top
C154 "1.0µF 25V" 0603C 129.395,95.654 r0 top
C155 "100nF 50V" 0603C 129.412,97.189 r0 top
C156 "10µF 10V" 0805C 129.567,93.738 r0 top
C157 "10nF 50V" 0603C 132.122,50.789 r0 top
C158.1 "10µF 10V" 0805C 97.794,77.207 r270 top (schematic designator C158)
C158.2 "10µF 10V" 0805C 135.825,85.725 r180 top (schematic designator C158)
C159 "100nF 50V" 0603C 136.644,50.631 r0 top
C160.1 "GRM1885C1H560JA01D" 0603C 103.981,102.89 r180 top value=56pF (schematic designator C160)
C160.2 "GRM1885C1H560JA01D" 0603C 137.25,99.55 r180 top value=56pF (schematic designator C160)
C161.1 "100nF 50V" 0603C 93.984,60.449 r90 top (schematic designator C161)
C161.2 "100nF 50V" 0603C 136.975,68.946 r0 top (schematic designator C161)
C162.1 "GCM188R71H472KA37D" 0603C 95.88,93.489 r90 top value=4700pF (schematic designator C162)
C162.2 "GCM188R71H472KA37D" 0603C 140.424,97.085 r0 top value=4700pF (schematic designator C162)
C163.1 "GRM1885C1H560JA01D" 0603C 106.875,102.89 r0 top value=56pF (schematic designator C163)
C163.2 "GRM1885C1H560JA01D" 0603C 140.163,99.55 r0 top value=56pF (schematic designator C163)
C164 "100nF 50V" 0603C 140.962,45.93 r180 top
C165.1 "100nF 50V" 0603C 93.837,77.081 r270 top (schematic designator C165)
C165.2 "100nF 50V" 0603C 135.825,84.124 r0 top (schematic designator C165)
C166 "100nF 50V" 0603C 143.711,32.389 r270 top
C167 "100nF 50V" 0603C 143.711,36.822 r270 top
C177 "100nF 50V" 0603C 91.385,115.265 r180 bottom
C178 "100nF 50V" 0603C 85.468,115.265 r180 bottom
C179 "100nF 50V" 0603C 79.39,115.265 r180 bottom
C180 "100nF 50V" 0603C 73.421,115.265 r180 bottom
C181 "1u/50V" 0603C 72.603,2.141 r180 bottom
D1.1 "MMSZ5232BS-7-F" SOD-323 103.45,61.804 r180 top value=5.6V (schematic designator D1)
D1.2 "MMSZ5232BS-7-F" SOD-323 21.846,61.244 r90 top value=5.6V (schematic designator D1)
D2.1 "40V" SMAF 109.497,64.717 r0 top (schematic designator D2)
D2.2 "40V" SMAF 24.76,55.197 r270 top (schematic designator D2)
D3.1 "DFLZ24-7" PowerDI123 108.571,77.198 r0 top value=24V (schematic designator D3)
D3.2 "DFLZ24-7" PowerDI123 37.24,56.122 r270 top value=24V (schematic designator D3)